# Altium PCB RX_fp.PcbDoc
Units mm, origin at the board's own origin, x right, y up, seen from the top; angles counter-clockwise.
Board outline 38.1 x 60.07 mm, 2 copper layers (Top Layer, Bottom Layer); 98 components, 68 nets, 297 pads, 89 vias.
Unrouted connection lines stored in the file: 1.
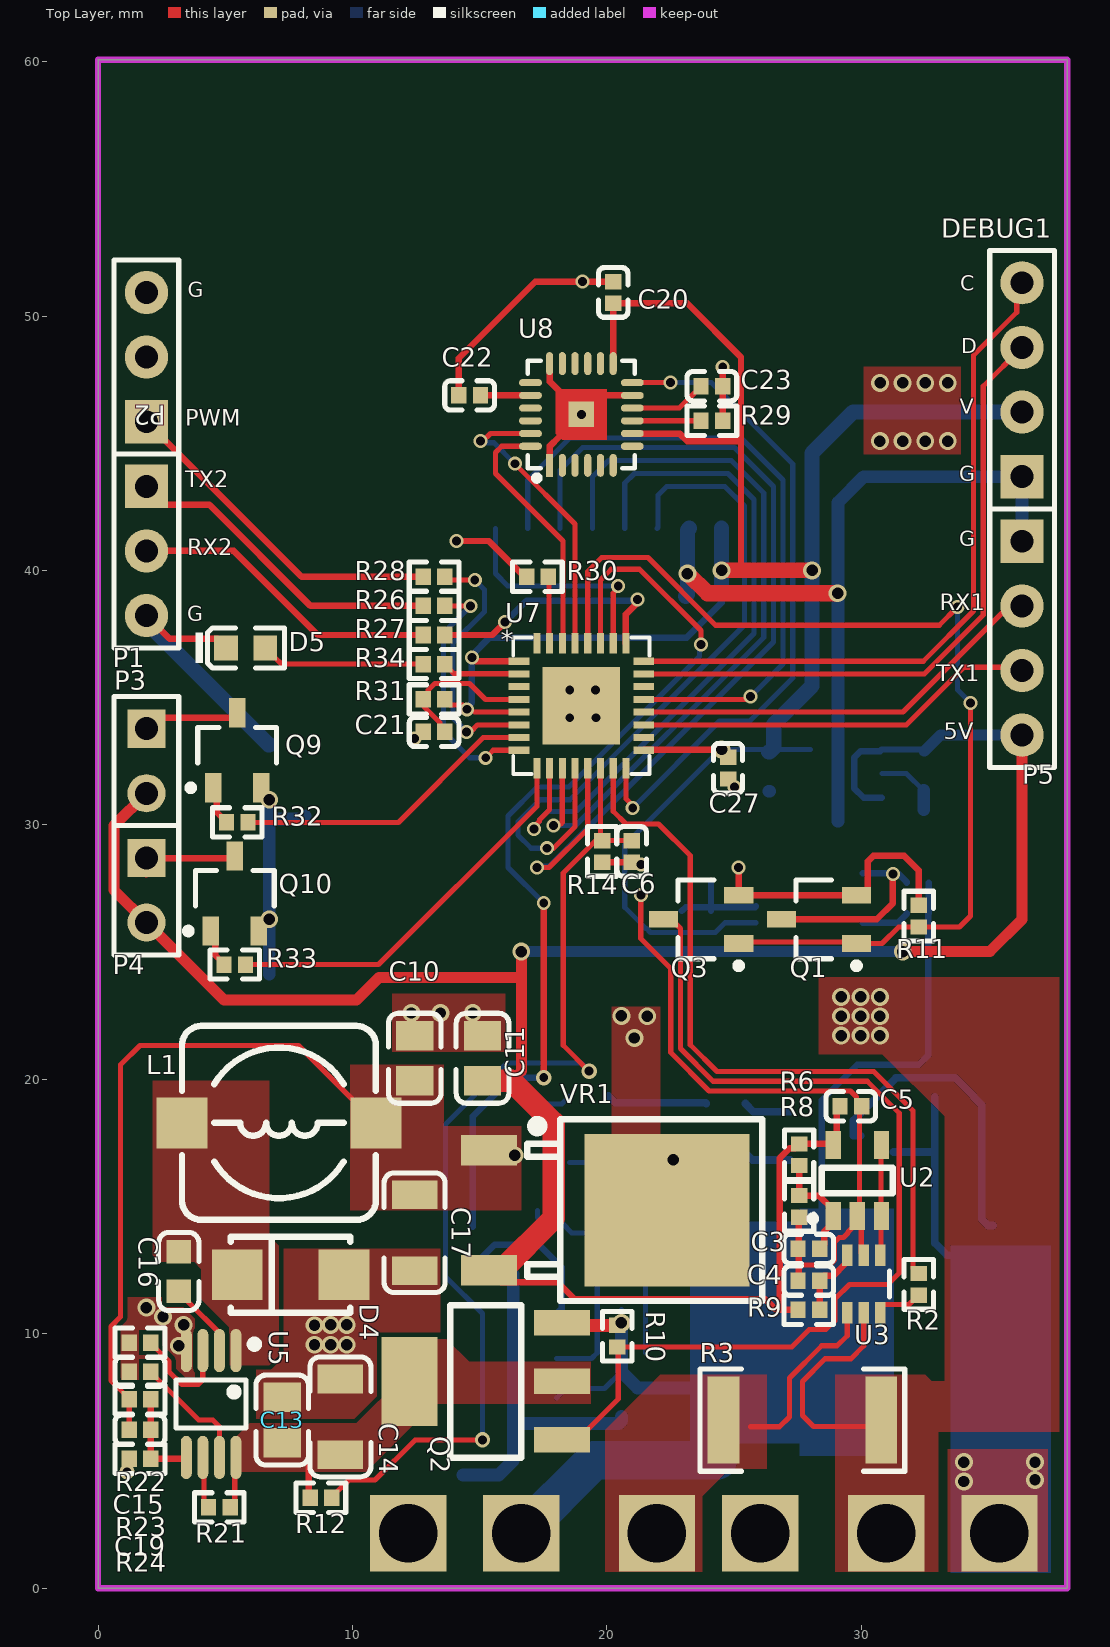
[diagram p0: Top Layer view]
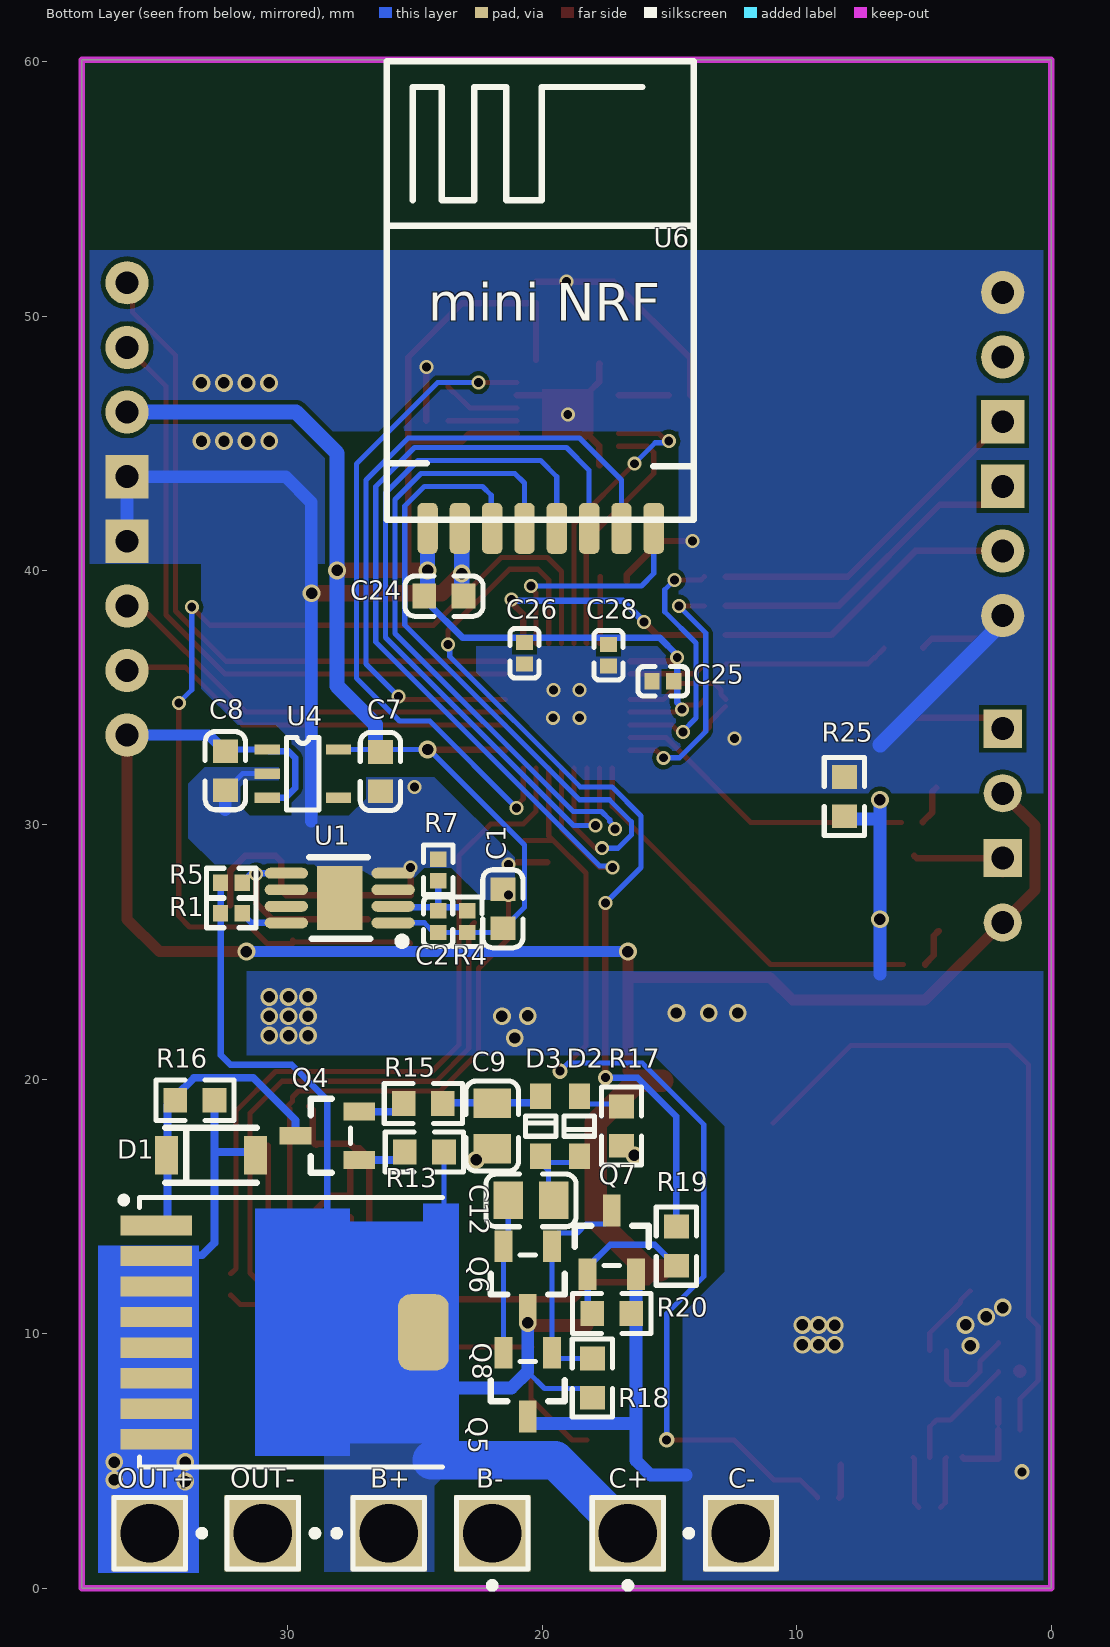
[diagram p1: Bottom Layer view, seen from below]

## Layer stack, top to bottom
Top Solder: solder mask 0.0102, Solder Resist, Dk 3.5
Top Layer: signal copper 0.0356
Dielectric1: dielectric 0.32, FR-4, Dk 4.8
Bottom Layer: signal copper 0.0356
Bottom Solder: solder mask 0.0102, Solder Resist, Dk 3.5

## Board outline
0,0 38.1,0 38.1,60.071 0,60.071

## Design rules (kind name [scope] priority, off if disabled: settings)
Clearance Clearance_1 [(InNamedPolygon('Top Layer-PGND'))] p1: gap=0.279 ignorepadtopadclearanceinfootprint=FALSE except(0: Arc-Hole Track-Hole SMDPad-Hole THPad-Hole Via-Hole Fill-Hole Poly-Hole Region-Hole Text-Hole)
Clearance [All] p2: gap=0.178 ignorepadtopadclearanceinfootprint=FALSE except(0: Arc-Hole Track-Hole SMDPad-Hole THPad-Hole Via-Hole Fill-Hole Poly-Hole Region-Hole Text-Hole)
ComponentClearance [All] p1 off: gap=0.254 collisioncheckmode=3 verticalgap=0.254 showdistances=FALSE
HoleToHoleClearance [All] p1: gap=0.203 allowstackedmicrovias=TRUE
MinimumSolderMaskSliver [All] p1: minsoldermaskwidth=0.178
PolygonConnect [All] p1: connectstyle=Direct reliefconductorwidth=0.254 reliefentries=4 polygonreliefangle="90 Angle" airgapwidth=0.254
RoutingVias [All] p1: holewidth=0.711 width=1.27 viastyle="Through Hole" minholewidth=0.711 minwidth=1.27 maxholewidth=0.711 maxwidth=1.27
SilkToSilkClearance [All] p1: silktosilkclearance=0.203
SilkToSolderMaskClearance SilkscreenOverComponentPads [IsPad] p1: minsilkscreentomaskgap=0.102 clearancetoexposedcopper=TRUE
SolderMaskExpansion [All] p1: expansion=0.102
Width [All] p1: maxlimit=5 minlimit=0.203 preferedwidth=0.254
25 further rules are at their usual default settings.

## Classes and differential pairs
component class U_POWER: B+ B- C1 C2 C3 C4 C5 C6 C7 C8 C9 C10 C11 C12 C13 C14 C15 C16 C17 C19 C+ C- D1 D2 D3 D4 L1 OUT+ OUT- Q1 Q2 Q3 Q4 Q5 Q6 Q7 Q8 R1 R2 R3 R4 R5 R6 R7 R8 R9 R10 R11 R12 R13 R14 R15 R16 R17 R18 R19 R20 R21 R22 R23 R24 R25 U1 U2 U3 U4 U5 VR1
component class RX: C20 C21 C22 C23 C24 C25 C26 C27 C28 D5 DEBUG1 P1 P2 P3 P4 P5 Q9 Q10 R26 R27 R28 R29 R30 R31 R32 R33 R34 SWIM1 U6 U7 U8

## Components (designator, comment, footprint, x,y, rotation, side; value= is the part's Value field where it differs from the comment)
B+ "Socket" PIN1 26.035,2.159 r90 bottom (schematic designator J2)
B- "Socket" PIN1 21.971,2.159 r0 bottom (schematic designator J3)
C1 "1uF" 0603_C 21.554,26.704 r270 bottom
C2 "10nF" 0402_C 24.094,26.196 r270 bottom
C3 "100nF" 0402_C 27.94,13.335 r0 top
C4 "100nF" 0402_C 27.94,12.083 r0 top
C5 "100nF" 0402_C 29.591,18.941 r180 top
C6 "100nF" 0402_C 20.981,28.956 r90 top
C7 "2.2uF" 0603_C 26.366,32.095 r90 bottom
C8 "1uF" 0603_C 32.462,32.131 r90 bottom
C9 "10uF" 0805_C 21.971,18.161 r90 bottom
C10 "10uF" 0805_C 12.446,20.828 r270 top
C11 "10uF" 0805_C 15.113,20.828 r270 top
C12 "10uF" 0805_C 20.447,15.24 r180 bottom
C13 "100nF" 0805_C 7.239,6.604 r270 top
C14 "10uF" 1206_C 9.525,6.731 r90 top
C15 "1uF" 0402_C 1.651,8.509 r180 top
C16 "10nF" 0603_C 3.175,12.446 r270 top
C17 "10uF" 1206_C 12.446,13.97 r270 top
C19 "82nF" 0402_C 1.651,6.223 r0 top
C20 "100nF" 0402_C 20.25,50.927 r270 top
C21 "1uF" 0402_C 13.208,33.655 r0 top
C22 "2.2uF" 0402_C 14.605,46.883 r0 top
C23 "100nF" 0402_C 24.13,47.244 r180 top
C24 "10uF" 0603_C 23.868,38.989 r0 bottom
C25 "100nF" 0402_C 15.265,35.644 r180 bottom
C26 "100nF" 0402_C 20.701,36.747 r90 bottom
C27 "100nF" 0402_C 24.765,32.232 r90 top
C28 "100nF" 0402_C 17.399,36.67 r90 bottom
C+ "Socket" PIN1 16.637,2.159 r0 bottom (schematic designator J1)
C- "Socket" PIN1 12.192,2.159 r90 bottom (schematic designator J4)
D1 "12V" LL-34 33.02,17.018 r180 bottom
D2 "1N4148WS T4" SOD-323 18.542,18.161 r90 bottom
D3 "1N4148WS T4" SOD-323 20.066,18.161 r270 bottom
D4 "SS54" SMA(DO-214AC)_S1 7.571,12.319 r0 top
D5 "白灯 0603" 0603_LED_S1 5.802,36.957 r0 top
DEBUG1 "Header 4" HDR2.54-LI-4P 36.322,47.498 r90 top
L1 "680uH" CDRH74 7.112,18.288 r180 top
OUT+ "Socket" PIN1 35.433,2.159 r270 bottom (schematic designator J5)
OUT- "Socket" PIN1 30.988,2.159 r270 bottom (schematic designator J6)
P1 "Header 3" HDR2.54-LI-3P 1.905,40.767 r270 top
P2 "Header 3" HDR2.54-LI-3P 1.905,48.387 r90 top
P3 "LED1" HDR1X2 1.905,33.782 r270 top
P4 "LED2" HDR1X2 1.905,28.702 r270 top
P5 "Header 4" HDR2.54-LI-4P 36.322,37.338 r270 top
Q1 "AO3442" SOT-23-3L 28.336,26.289 r0 top
Q2 "NTF2955T1G" SOT-223 15.24,8.128 r0 top
Q3 "AO3442" SOT-23-3L 23.705,26.289 r0 top
Q4 "MMBT2907A" SOT-23(SOT-23-3) 28.448,17.78 r180 bottom
Q5 "IPT007N06N" INF-PG-HSOF-8-1-0 29.929,10.055 r180 bottom
Q6 "MMBTA05" SOT-23(SOT-23-3) 20.574,12.192 r90 bottom
Q7 "MMBTA05" SOT-23(SOT-23-3) 17.272,13.589 r270 bottom
Q8 "MMBT2907A" SOT-23(SOT-23-3) 20.574,8.001 r90 bottom
Q9 "AO3400A" SOT-23-3L 5.471,32.933 r270 top
Q10 "AO3400A" SOT-23-3L 5.377,27.305 r270 top
R1 "100Ω" 0402_R 32.222,26.532 r0 bottom
R2 "1KΩ" 0402_R 32.258,11.938 r270 top
R3 "0.001Ω" 2512_R 27.686,6.604 r180 top
R4 "150KΩ ±1%" 0402_R 22.951,26.196 r270 bottom
R5 "1MΩ" 0402_R 32.222,27.72 r0 bottom
R6 "4.7KΩ  ±1%" 0402_R 27.559,17.036 r90 top
R7 "200KΩ ±1%" 0402_R 24.094,28.228 r270 bottom
R8 "2.2KΩ ±1%" 0402_R 27.559,15.004 r90 top
R9 "100Ω" 0402_R 27.94,10.94 r0 top
R10 "56KΩ" 0402_R 20.411,9.906 r90 top
R11 "10KΩ" 0402_R 32.258,26.416 r270 top
R12 "20KΩ ±1%" 0402_R 8.763,3.556 r180 top
R13 "10KΩ" 0603_R 24.638,17.145 r0 bottom
R14 "1KΩ ±1%" 0402_R 19.812,28.956 r90 top
R15 "680Ω" 0603_R 24.679,19.05 r180 bottom
R16 "10KΩ" 0603_R 33.655,19.177 r0 bottom
R17 "10Ω" 0603_R 16.891,18.161 r270 bottom
R18 "4.7KΩ" 0603_R 18.034,8.255 r270 bottom
R19 "1KΩ" 0603_R 14.732,13.442 r270 bottom
R20 "100KΩ" 0603_R 17.272,10.795 r0 bottom
R21 "1MΩ" 0402_R 4.77,3.175 r0 top
R22 "120KΩ" 0402_R 1.651,9.652 r0 top
R23 "1KΩ" 0402_R 1.651,7.418 r0 top
R24 "270Ω" 0402_R 1.651,5.08 r180 top
R25 "0Ω" 0603_R 8.128,31.115 r270 bottom
R26 "470Ω" 0402_R 13.208,38.608 r180 top
R27 "470Ω" 0402_R 13.208,37.465 r180 top
R28 "470Ω" 0402_R 13.208,39.751 r180 top
R29 "10KΩ" 0402_R 24.13,45.883 r180 top
R30 "10KΩ" 0402_R 17.272,39.751 r0 top
R31 "10KΩ" 0402_R 13.208,34.933 r0 top
R32 "1KΩ" 0402_R 5.471,30.099 r0 top
R33 "1KΩ" 0402_R 5.377,24.511 r0 top
R34 "1KΩ" 0402_R 13.208,36.322 r180 top
U1 "LT3010" MSOP-8_EP 27.963,27.126 r90 bottom
U2 "LMV321IDBVRG4" SOT-23-5 29.845,16.02 r270 top
U3 "INA199X1" DCK0006A_N 30.099,11.956 r270 top
U4 "SPX3819" SOT25-5 30.812,32.964 r180 bottom
U5 "LM5007" MSOP-8 4.445,7.239 r180 top
U6 "NRF24L01" miniNRF24L01 24.841,42.367 r180 bottom locked
U7 "STM32L051K8U6" UFQFPN32-5x5mm 19,34.683 r0 top locked
U8 "MPU6050" QFN-24_4x4x05P 19,46.133 r0 top
VR1 "L78M05ABDT-TR" TO-252-2-180 15.367,14.859 r0 top

## Footprints (in the part's own frame and the unit in brackets; to place one, negate y for a bottom-side part, rotate by r counter-clockwise, add the part's x,y. Pads: shape width x height; smd on the part's side, far side on the other; paste and mask are expansions set on the pad)
0402_C [mm]
  rect 0.6x0.65 smd mask+0.051: 1(-0.425,0) 2(0.425,0)
  silkscreen extent -0.97,-0.58 0.97,0.58, body extent -0.48,-0.3 0.52,0.3, height 0.2
0402_R [mm]
  rect 0.6x0.65 smd mask+0.051: 1(-0.425,0) 2(0.425,0)
  silkscreen extent -0.97,-0.58 0.97,0.58, body extent -0.57,-0.27 0.57,0.28, height 0.41
0603_C [mm]
  rect 0.93x0.98 smd: 1(-0.77,0) 2(0.77,0)
  silkscreen extent -1.53,-0.79 1.54,0.79, body extent -0.8,-0.4 0.8,0.4, height 0.3
0603_LED_S1 [mm]
  rect 0.93x0.98 smd: A(0.77,0) K(-0.77,0)
  silkscreen extent -1.97,-0.79 1.54,0.79, body extent -0.8,-0.4 0.8,0.4, height 0.6
0603_R [mm]
  rect 0.93x0.98 smd: 1(-0.77,0) 2(0.77,0)
  silkscreen extent -1.53,-0.79 1.54,0.79, body extent -0.85,-0.4 0.85,0.4, height 0.56
0805_C [mm]
  rect 1.16x1.47 smd: 1(-0.89,0) 2(0.89,0)
  silkscreen extent -1.77,-1.04 1.77,1.04, body extent -1,-0.63 1,0.62, height 0.77
1206_C [mm]
  rect 1.13x1.8 smd: 1(-1.49,0) 2(1.49,0)
  silkscreen extent -2.36,-1.2 2.35,1.2, body extent -1.6,-0.81 1.6,0.79, height 1
2512_R [mm]
  rect 1.25x3.42 smd: 1(-3.1,0) 2(3.1,0)
  silkscreen extent -4.03,-2.01 4.02,2.01, body extent -3.16,-1.6 3.16,1.6, height 0.62
CDRH74 [mm] "7.3*7.3*4.5mm（长宽高）"
  rect 2x2 smd: 1(-3.81,0) 2(3.81,0)
  silkscreen extent -3.81,-3.81 3.81,3.81, body extent -3.65,-3.65 3.65,3.65, height 4.5
DCK0006A_N [mm]
  rect 0.85x0.4 smd paste+0 mask+0.051: 1(-1.125,0.65) 2(-1.125,0) 3(-1.125,-0.65) 4(1.125,-0.65) 5(1.125,0) 6(1.125,0.65)
  silkscreen extent -0.51,1.02 0.51,1.02, body extent -1.05,-1 1.05,1, height 1
HDR1X2 [mm] "Connector; Header; 2 Position"
  rect 1.5x1.5 hole 0.9: 1(0,0)
  round 1.5 hole 0.9: 2(2.54,0)
  silkscreen extent -1.27,-1.27 3.81,1.27
HDR2.54-LI-3P [mm] "排针，3脚"
  rect 1.7x1.7 hole 0.9: 1(-2.54,0)
  round 1.7 hole 0.9: 2(0,0) 3(2.54,0)
  silkscreen extent -3.81,-1.27 3.81,1.27, body extent -3.81,-1.27 3.81,1.27, height 8.5
HDR2.54-LI-4P [mm] "排针，4脚"
  rect 1.7x1.7 hole 0.9: 1(-3.81,0)
  round 1.7 hole 0.9: 2(-1.27,0) 3(1.27,0) 4(3.81,0)
  silkscreen extent -5.08,-1.27 5.08,1.27, body extent -5.08,-1.27 5.08,1.27, height 8.5
INF-PG-HSOF-8-1-0 [mm] "PG-HSOF-8-1"
  rect 2.8x0.8 smd paste+0 mask+0: 1(-5.25,4.2) 2(-5.25,3) 3(-5.25,1.8) 4(-5.25,0.6) 5(-5.25,-0.6) 6(-5.25,-1.8) 7(-5.25,-3) 8(-5.25,-4.2)
  rrect50% 2x3 smd paste+0 mask+0: 9(5.25,0)
  Top Layer region: 6.65,5.05 6.65,-5.05 5.25,-5.05 5.25,-4.35 2.35,-4.35 2.35,-4.85 -1.35,-4.85 -1.35,4.85 2.35,4.85 2.35,4.35 5.25,4.35 5.25,5.05
  Top Layer region: -3.85,3.4 -3.85,-4.6 -4.65,-4.6 -4.65,3.4
  silkscreen extent -6.65,-5.3 6,5.32, body extent -5.84,-4.95 5.9,4.95, height 2.4
LL-34 [mm]
  rect 0.9x1.5 smd: 1(1.75,0) 2(-1.75,0)
  silkscreen extent -1.8,-1.08 1.8,1.08
miniNRF24L01 [mm]
  rrect50% 0.8x2 smd: 1(0.33,-0.711) 2(1.6,-0.711) 3(2.87,-0.711) 4(4.14,-0.711) 5(5.41,-0.711) 6(6.68,-0.711) 7(7.95,-0.711) 8(9.22,-0.711)
  silkscreen extent -1.27,-0.38 10.8,17.65
MSOP-8 [mm]
  oval 0.43x1.7 smd mask+0.051: 1(-0.975,-2.1) 2(-0.325,-2.1) 3(0.325,-2.1) 4(0.975,-2.1) 5(0.975,2.1) 6(0.325,2.1) 7(-0.325,2.1) 8(-0.975,2.1)
  silkscreen extent -1.85,-2.5 1.38,0.95, body extent -1.5,-2.45 1.5,2.45, height 1.1
MSOP-8_EP [mm] "MSOP-8, with EP"
  rect 2.5x1.8 smd mask+0.051: 0(0,0)
  oval 0.43x1.7 smd mask+0.051: 1(-0.975,-2.1) 2(-0.325,-2.1) 3(0.325,-2.1) 4(0.975,-2.1) 5(0.975,2.1) 6(0.325,2.1) 7(-0.325,2.1) 8(-0.975,2.1)
  silkscreen extent -1.85,-2.6 1.6,1.2, body extent -1.5,-2.45 1.5,2.45, height 1.1
PIN1 [mm] "Generic Antenna; 1 Lead"
  rect 3x3 hole 2.3: 1(0,0)
  silkscreen extent -1.4,-1.4 1.4,2.18
QFN-24_4x4x05P [mm]
  rect 0.28x0.9 smd: 1(-1.25,-2)
  oval 0.28x0.9 smd: 2(-0.75,-2) 3(-0.25,-2) 4(0.25,-2) 5(0.75,-2) 6(1.25,-2) 13(1.25,2) 14(0.75,2) 15(0.25,2) 16(-0.25,2) 17(-0.75,2) 18(-1.25,2)
  oval 0.9x0.28 smd: 7(2,-1.25) 8(2,-0.75) 9(2,-0.25) 10(2,0.25) 11(2,0.75) 12(2,1.25) 19(-2,1.25) 20(-2,0.75) 21(-2,0.25) 22(-2,-0.25) 23(-2,-0.75) 24(-2,-1.25)
  rect 1x1 smd: 25(0,0)
  Top Layer region: -1,1 1,1 1,-1 -0.75,-1 -1,-0.75
  silkscreen extent -2.11,-2.6 2.11,2.11, body extent -2.01,-2.01 2.01,2.01, height 0.95
SMA(DO-214AC)_S1 [mm]
  rect 2x2 smd: 1(2.1,0) 2(-2.1,0)
  silkscreen extent -2.35,-1.5 2.35,1.5
SOD-323 [mm]
  rect 1x0.83 smd: 1(1.18,0) 2(-1.18,0)
  silkscreen extent -0.4,-0.6 0.4,0.6, body extent -1.35,-0.63 1.35,0.62, height 1.1
SOT25-5 [mm]
  rect 1x0.4 smd: 1(0,0) 2(0,-0.95) 3(0,-1.9) 4(2.8,-1.9) 5(2.8,0)
  silkscreen extent 0.76,-2.38 2.03,0.48
SOT-23(SOT-23-3) [mm]
  rect 1.25x0.7 smd: 1(1.25,-0.95) 2(1.25,0.95) 3(-1.25,0)
  silkscreen extent -0.65,-1.46 0.9,1.46, body extent -1.5,-1.5 1.5,1.5, height 1.3
SOT-23-3L [mm] "http://www.aosmd.com"
  rect 1.15x0.65 smd: 1(1.475,-0.95) 2(1.475,0.95) 3(-1.475,0)
  silkscreen extent -0.9,-1.95 1.6,1.55, body extent -0.9,-1.55 0.9,1.55, height 1.25
SOT-23-5 [mm]
  rect 1.1x0.6 smd: 1(1.4,-0.95) 2(1.4,0) 3(1.4,0.95) 4(-1.4,0.95) 5(-1.4,-0.95)
  silkscreen extent -0.5,-1.87 1.62,1.4
SOT-223 [mm]
  rect 2.2x1 smd: 1(3,-2.3) 2(3,0) 3(3,2.3)
  rect 2.2x3.5 smd: 2(-3,0)
  silkscreen extent -1.4,-3 1.4,3, body extent -3.49,-3.24 3.49,3.24, height 1.64
TO-252-2-180 [mm] "180度编带包装"
  rect 2.2x1.2 smd: 1(0,2.361) 3(0.004,-2.361)
  rect 6.5x6 smd: 2(7,0)
  silkscreen extent 1.5,-3.57 10.75,3.57, body extent -0.2,-3.27 9.74,3.27, height 2.44
UFQFPN32-5x5mm [mil]
  rect 32x11 smd: 1(-96.5,68.9) 2(-96.5,49.21) 3(-96.5,29.53) 4(-96.5,9.84) 5(-96.5,-9.84) 6(-96.5,-29.53) 7(-96.5,-49.21) 8(-96.5,-68.9) 17(96.5,-68.9) 18(96.5,-49.21) 19(96.5,-29.53) 20(96.5,-9.84) 21(96.5,9.84) 22(96.5,29.53) 23(96.5,49.21) 24(96.5,68.9)
  rect 11x32 smd: 9(-68.9,-96.5) 10(-49.21,-96.5) 11(-29.53,-96.5) 12(-9.84,-96.5) 13(9.84,-96.5) 14(29.53,-96.5) 15(49.21,-96.5) 16(68.9,-96.5) 25(68.9,96.5) 26(49.21,96.5) 27(29.53,96.5) 28(9.84,96.5) 29(-9.84,96.5) 30(-29.53,96.5) 31(-49.21,96.5) 32(-68.9,96.5)
  rect 120x120 smd paste-70.5: 33(0,0)
  silkscreen extent -106,-106 106,106, body extent -100,-100 101,101, height 24

## Part data
C1 C8 C15 C21: library part "0603 1uF (105) 10% 50V", "贴片电容", Package=0603, SuppliersPartNumber=C15849, ComponentLink1Description=供应, ComponentLink1URL=http://www.szlcsc.com/product/details_16531.html, Supplier=LC
C2: library part "0402 10nF (103) 10% 50V", "贴片电容", Package=0402, SuppliersPartNumber=C15195, ComponentLink1Description=供应, ComponentLink1URL=http://www.szlcsc.com/product/details_15869.html, Supplier=LC
C3 C4 C5 C6 C20 C23 C25 C26 C27 C28: library part "0402 100nF (104) 10% 16V", "贴片电容", Package=0402, SuppliersPartNumber=C1525, ComponentLink1Description=¹©Ó, ComponentLink1URL=http://www.szlcsc.com/product/details_1877.html, Supplier=LC
C7: library part "0603 2.2uF (225) 10% 16V", "贴片电容", Package=0603, SuppliersPartNumber=C23630, ComponentLink1Description=供应, ComponentLink1URL=http://www.szlcsc.com/product/details_24366.html, Supplier=LC
C9 C10 C11 C12: library part "0805 10uF (106) 10% 25V", "贴片电容", Package=0805, SuppliersPartNumber=C15850, ComponentLink1URL=http://www.szlcsc.com/product/details_16532.html, Supplier=LC
  C9 C12: ComponentLink1Description=供应
  C10 C11: ComponentLink1Description=¹©Ó
C13: library part "0805 100nF(104) 10% 50V", "贴片电容", Package=0805, SuppliersPartNumber=C49678, ComponentLink1Description=供应, ComponentLink1URL=http://www.szlcsc.com/product/details_50686.html, Supplier=LC
C14 C17: library part "1206 10uF (106) 10% 50V", "贴片电容", Package=1206, SuppliersPartNumber=C13585, ComponentLink1Description=供应, ComponentLink1URL=http://www.szlcsc.com/product/details_14236.html, Supplier=LC
C16: library part "0603 10nF (103) 10% 50V", "贴片电容", Package=0603, SuppliersPartNumber=C57112, ComponentLink1Description=¹©Ó, ComponentLink1URL=http://www.szlcsc.com/product/details_58143.html, Supplier=LC
C19: library part "0603 82pF (820) 5% 50V", "贴片电容", Package=0603, SuppliersPartNumber=C1683, ComponentLink1Description=供应, ComponentLink1URL=http://www.szlcsc.com/product/details_2035.html, Supplier=LC
C22 C24: library part "0603 10uF (106) 10% 10V", "贴片电容", Package=0603, SuppliersPartNumber=C19702, ComponentLink1Description=供应, ComponentLink1URL=http://www.szlcsc.com/product/details_20411.html, Supplier=LC
D1: library part "LL-34 ZMM5V6", "稳压二极管", Package=LL-34, SuppliersPartNumber=C8062, ComponentLink1Description=供应, ComponentLink1URL=http://www.szlcsc.com/product/details_8541.html, Supplier=LC
D2 D3: library part "SOD-323 1N4148WS T4", "二极管", Package=SOD-323, SuppliersPartNumber=C2128, ComponentLink1Description=供应, ComponentLink1URL=http://www.szlcsc.com/product/details_2485.html, Supplier=LC
D4: library part "SMA(DO-214AC) SS54", "二极管", Package=SMA(DO-214AC), SuppliersPartNumber=C22452, ComponentLink1Description=供应, ComponentLink1URL=http://www.szlcsc.com/product/details_23178.html, Supplier=LC
D5: library part "0603 白灯", "发光二极管", Package=0603, SuppliersPartNumber=C2290, ComponentLink1Description=供应, ComponentLink1URL=http://www.szlcsc.com/product/details_2663.html, Supplier=LC
DEBUG1 P5: "Header, 4-Pin", LatestRevisionDate=17-Jul-2002, LatestRevisionNote="Re-released for DXP Platform.", Publisher="Altium Limited"
L1: library part "0805 10uH 10%", "贴片电感", Package=0805, SuppliersPartNumber=C1046, ComponentLink1Description=供应, ComponentLink1URL=http://www.szlcsc.com/product/details_1398.html, Supplier=LC
P1 P2: "Header, 3-Pin", LatestRevisionDate=17-Jul-2002, LatestRevisionNote="Re-released for DXP Platform.", Publisher="Altium Limited"
P3 P4: library part "Header 2", "Header, 2-Pin", LatestRevisionDate=17-Jul-2002, LatestRevisionNote="Re-released for DXP Platform.", Publisher="Altium Limited"
Q1 Q3 Q9 Q10: library part "AO3400A N道沟 X0YV1T SOT-23", "MOS(场效应管)", Package=SOT-23, SuppliersPartNumber=C20917, ComponentLink1Description=供应, ComponentLink1URL=http://www.szlcsc.com/product/details_21629.html, Supplier=LC
Q2: library part "AO3401A P道沟 X13A15 SOT-23", "MOS(场效应管)", Package=SOT-23, SuppliersPartNumber=C15127, ComponentLink1Description=供应, ComponentLink1URL=http://www.szlcsc.com/product/details_15801.html, Supplier=LC
Q4 Q8: library part "SOT-23 SS8550 Y2", "三极管", Package=SOT-23, SuppliersPartNumber=C8542, ComponentLink1Description=供应, ComponentLink1URL=http://www.szlcsc.com/product/details_9037.html, Supplier=LC
Q5: "OptiMOS N-Channel Power-Transistor", Manufacturer="Infineon Technologies", ManufacturerPartNumber=IPT007N06N, PackageReference=PG-HSOF-8-1
Q6 Q7: library part "SOT-23 SS8050 Y1", "三极管", Package=SOT-23, SuppliersPartNumber=C2150, ComponentLink1Description=供应, ComponentLink1URL=http://www.szlcsc.com/product/details_2507.html, Supplier=LC